# Altium PCB radxa_cm3i_io_board_v1.4.PcbDoc (part 1 of 9)
Units mil, origin at the board's own origin, x right, y up, seen from the top; angles counter-clockwise.
Board outline 7886.22 x 5511.42 mil, 4 copper layers (Top, GND, Power, Bottom), stack 35.4 mil thick; 724 components, 544 nets, 2607 pads, 3449 vias.
Unrouted connection lines stored in the file: 2847.
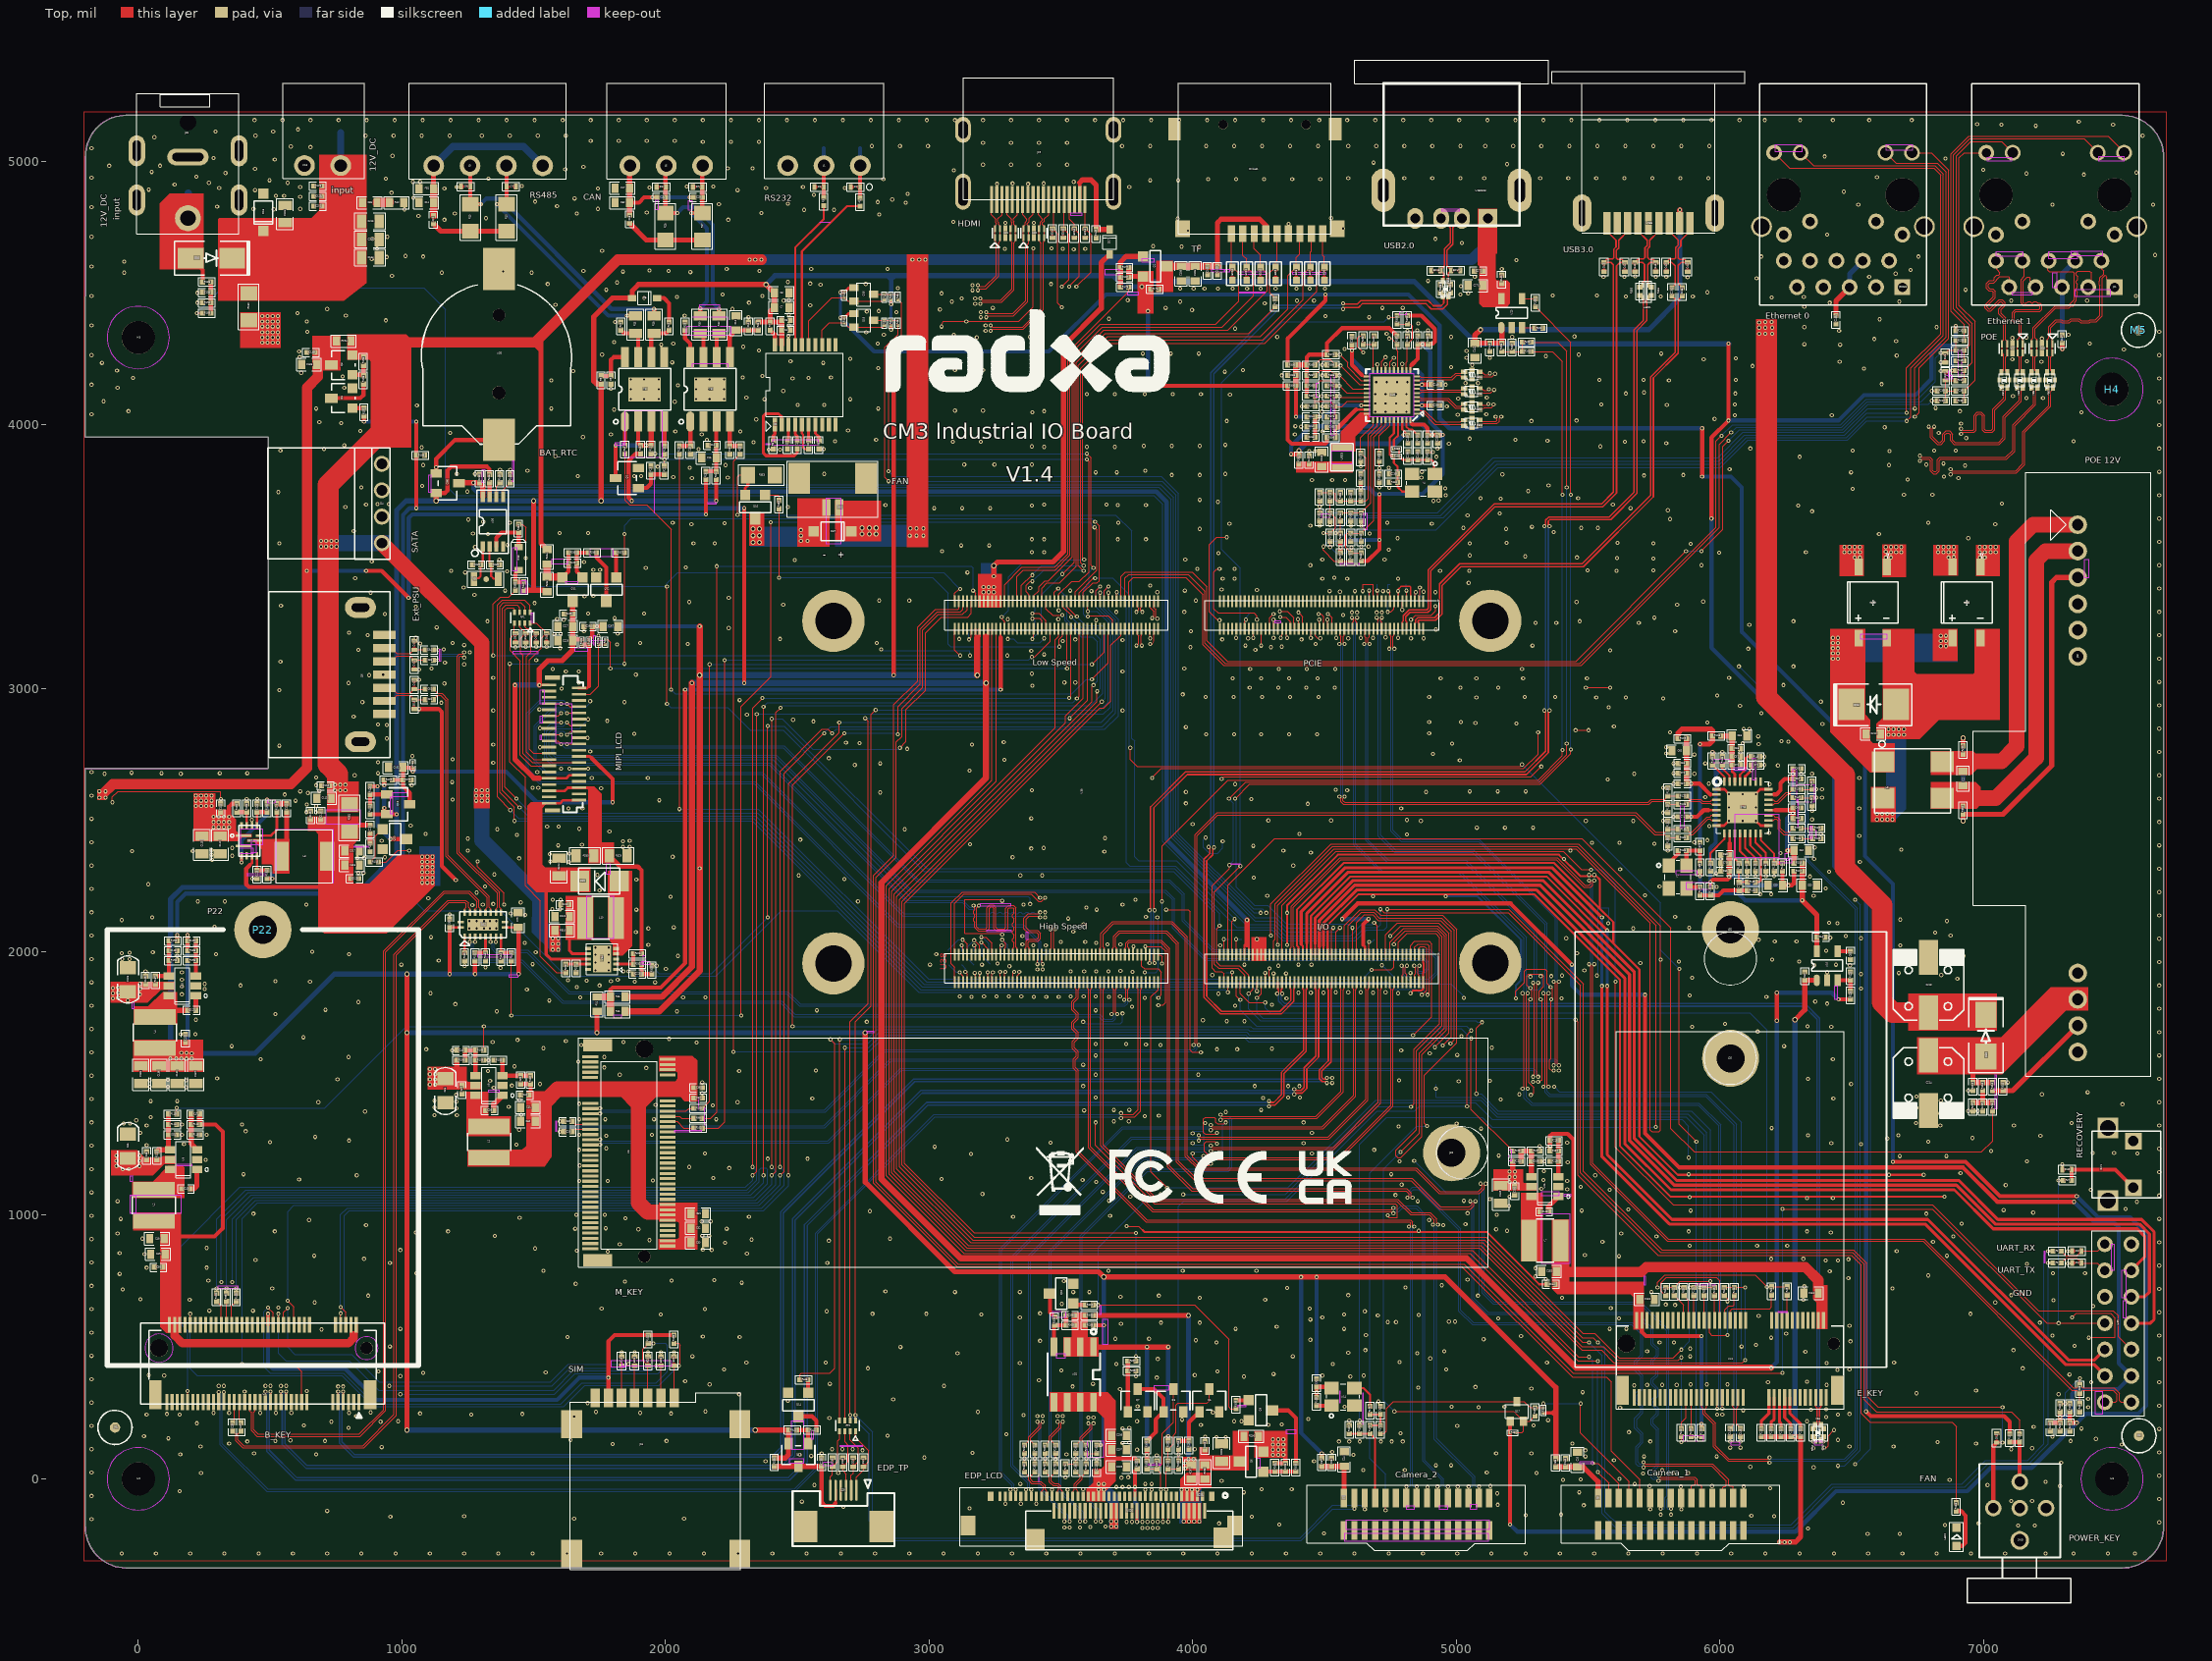
[diagram p0: Top view]
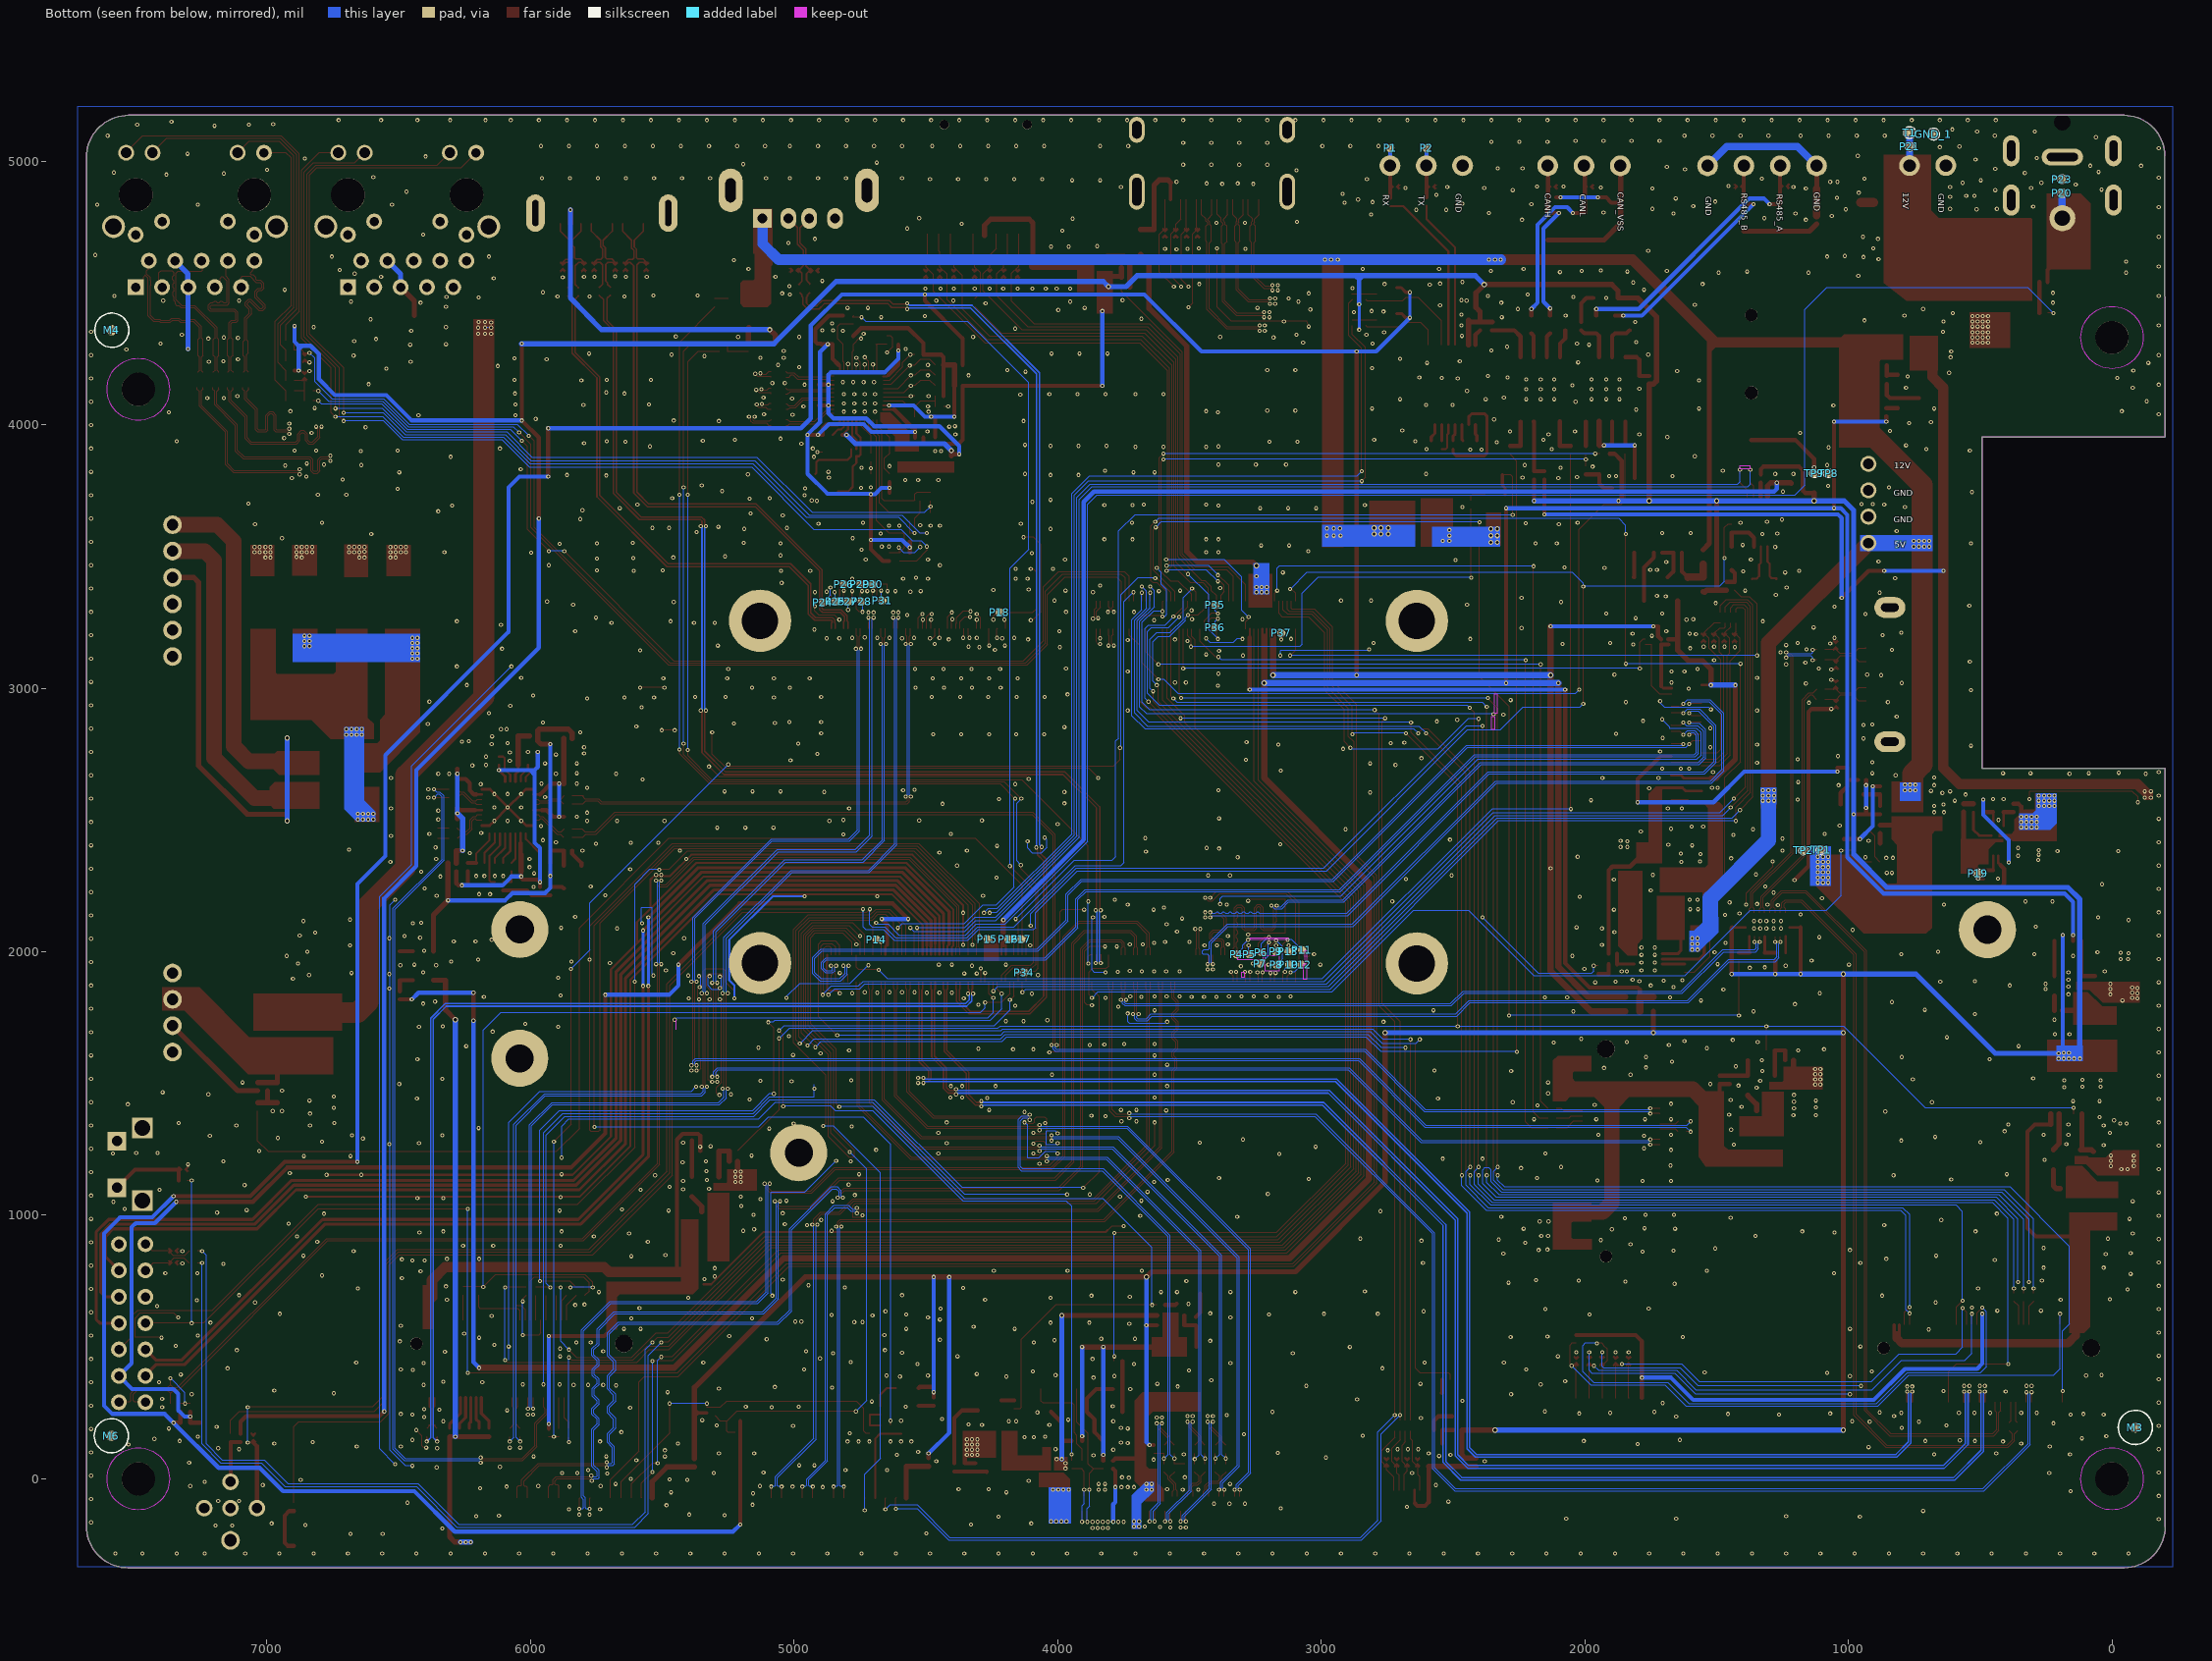
[diagram p1: Bottom view, seen from below]
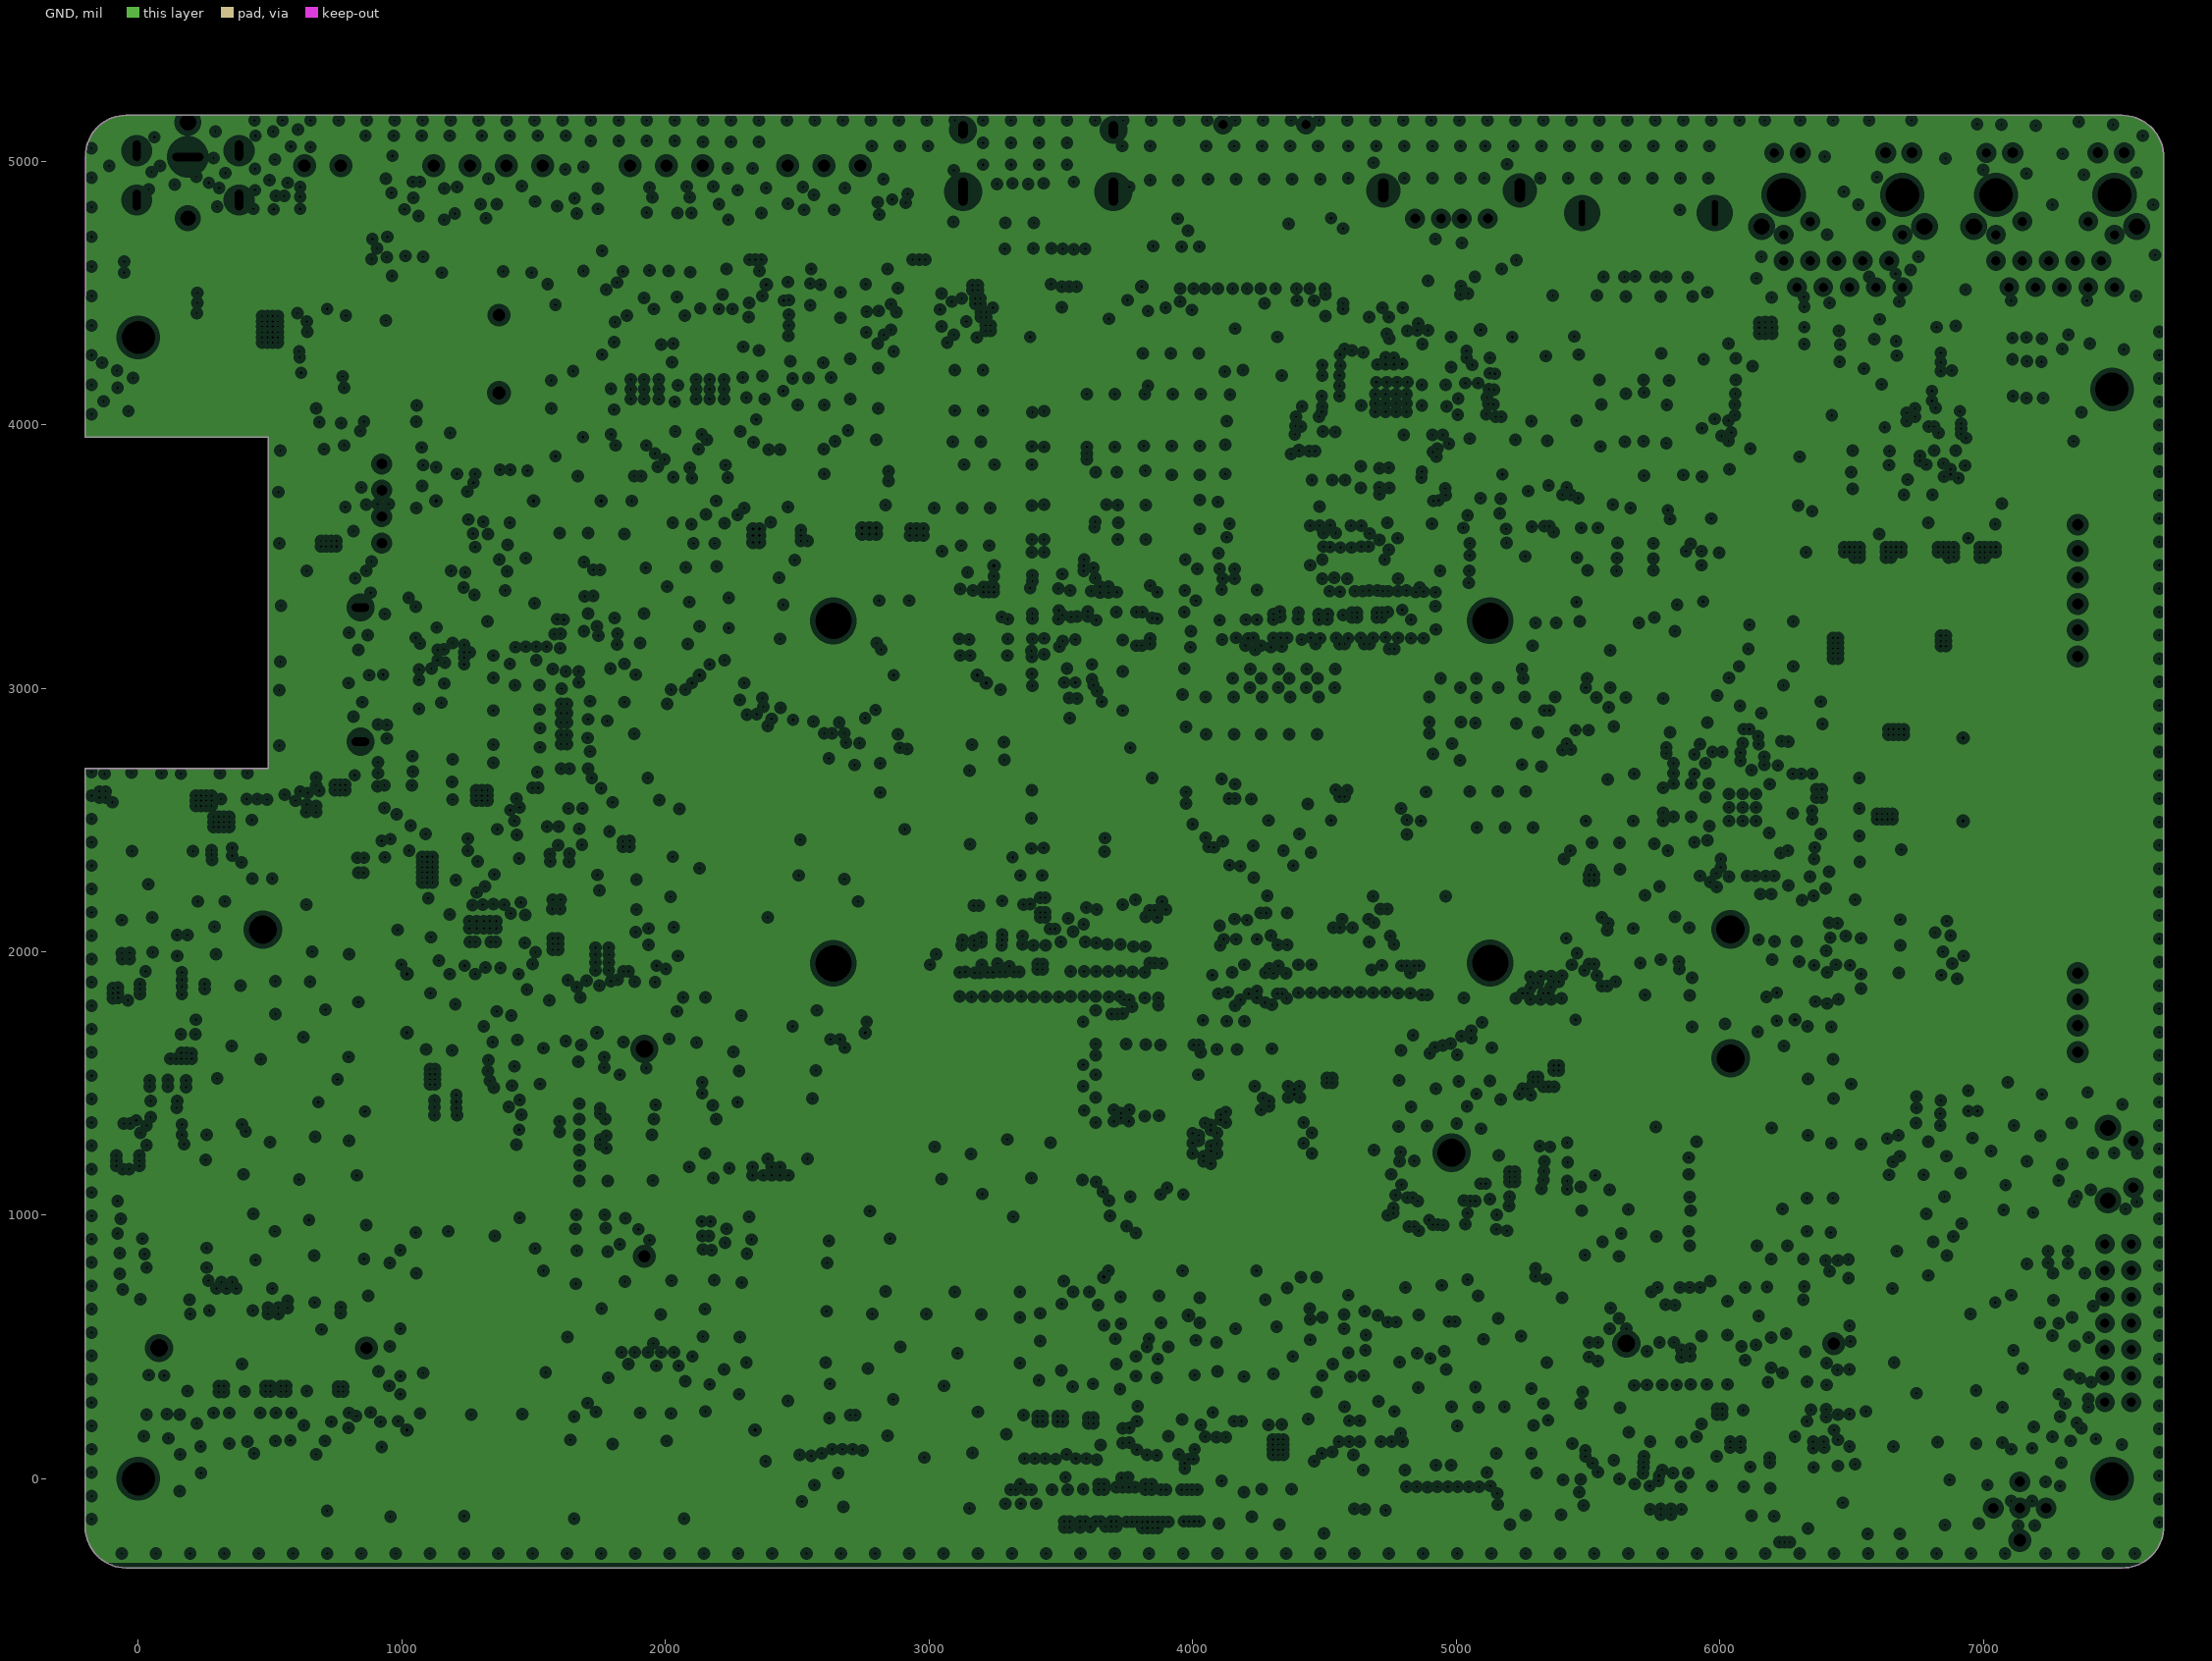
[diagram p2: GND, clearances drawn from the general rule]